# KiCad board mtk64_R_rev2.kicad_pcb (continued)
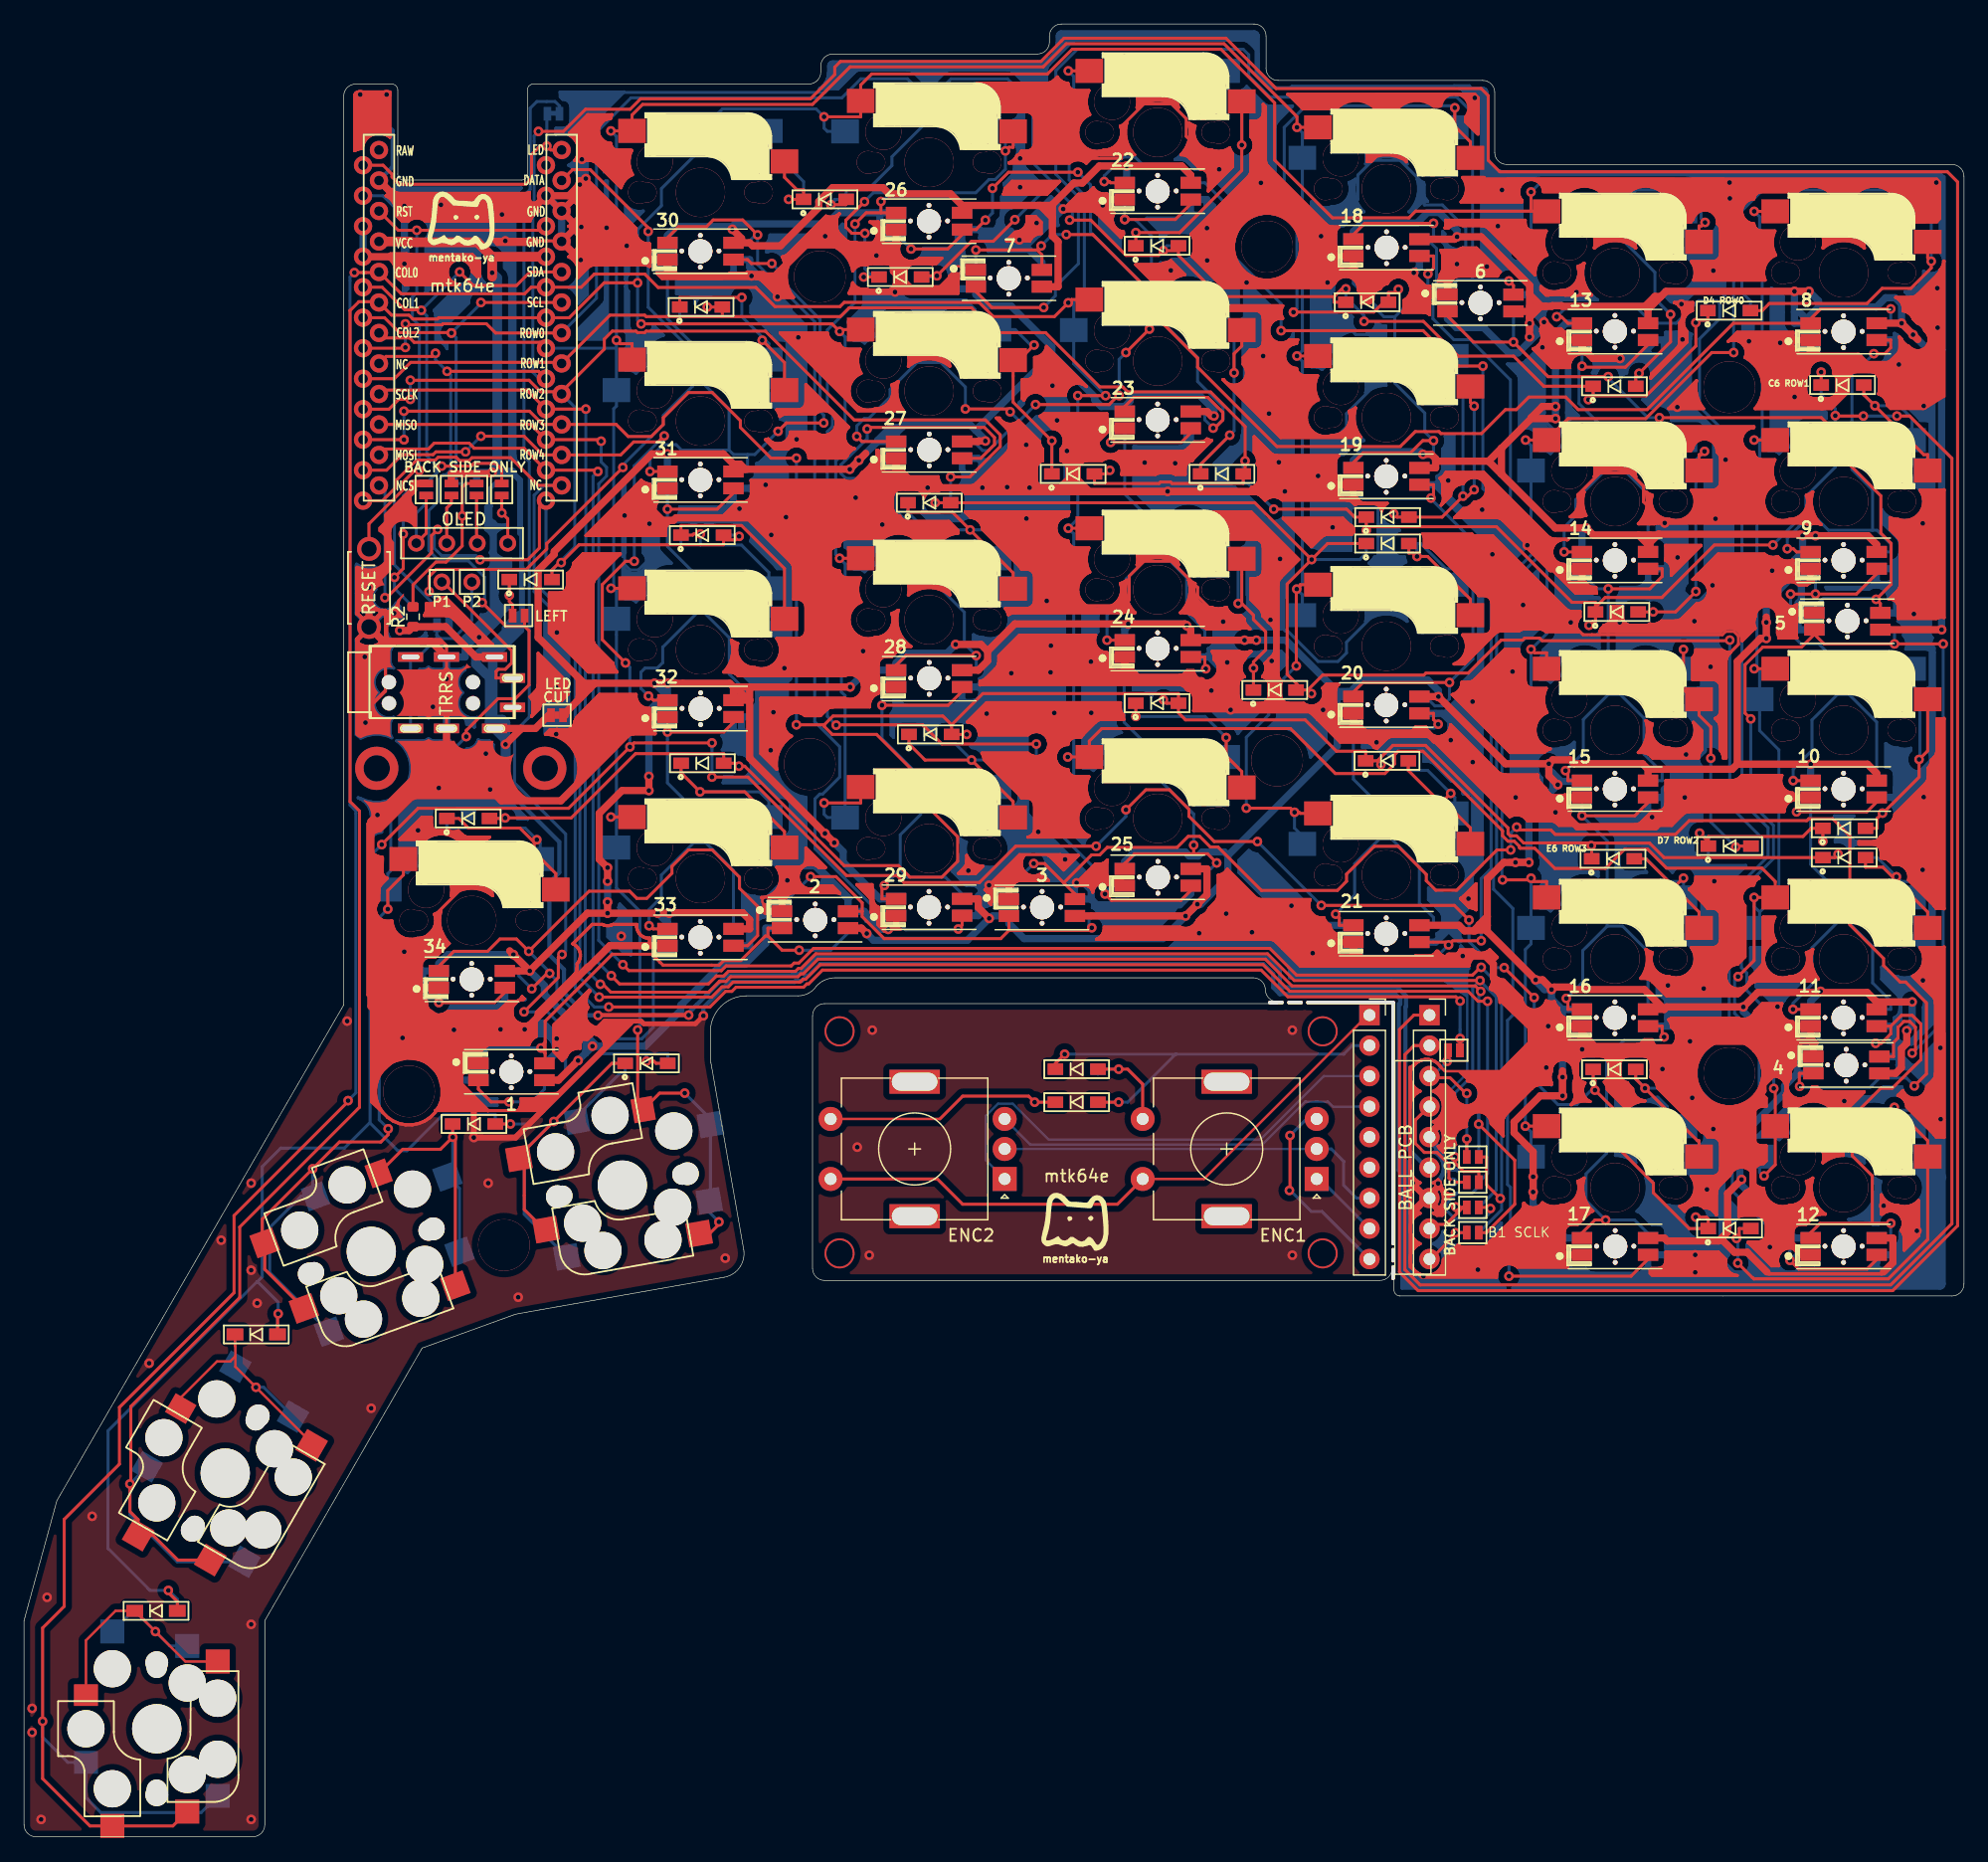
[diagram p0: board, top side]
## Routing (per net, layer and track width the routed paths; a pad name or vN(x,y) marks a point on that pad's centre or on a via; arc(x,y) is an arc through that point) (continued)
149.04,101.82 ; 149.04,101.8 149.04,101.82 ; 50.81,91.88 50.78,91.88 ; 50.81,91.88 50.78,91.88 ; 50.81,91.88 50.85,91.88 ; 50.81,91.88 50.85,91.88 ; 50.78,91.88 50.66,91.87 ; 50.78,91.88 50.66,91.87 ; 149.03,73.92 149.03,73.91 ; 149.03,73.92 149.03,73.91 ; 149.03,73.92 148.81,73.77 ; 149.03,73.92 148.81,73.77 ; 149.03,73.91 148.93,73.39 ; 149.03,73.91 148.93,73.39 ; 120.11,137.74 119.99,138.03 ; 120.11,137.74 120.18,137.43 ; 120.11,137.74 120.18,137.43 ; 120.11,137.74 119.99,138.03 ; 119.99,138.03 119.87,138.22 ; 119.99,138.03 119.87,138.22 ; 147.01,106.26 147.21,106.3 ; 147.01,106.26 147.21,106.3 ; 147.01,106.26 146.81,106.26 ; 147.01,106.26 146.81,106.26 ; 147.21,106.3 147.34,106.35 ; 147.21,106.3 147.34,106.35 ; 96.75,114 96.75,113.49 ; 96.75,114 96.76,114.13 ; 96.75,114 96.76,114.13 ; 96.75,114 96.75,113.49 ; 96.75,113.49 95.95,113.49 ; 96.75,113.49 95.95,113.49 ; 112.91,128.93 112.79,128.89 ; 112.91,128.93 112.79,128.89 ; 112.91,128.93 112.99,128.93 ; 112.91,128.93 112.99,128.93 ; 112.79,128.89 112.68,128.83 ; 112.79,128.89 112.68,128.83 ; 84.6,116.18 84.64,115.98 ; 84.6,116.18 84.64,115.98 ; 84.6,116.18 84.6,116.24 ; 84.6,116.18 84.6,116.24 ; 84.64,115.98 84.72,115.79 ; 84.64,115.98 84.72,115.79 ; 103.29,135.24 102.75,135.13 ; 103.29,135.24 102.75,135.13 ; 103.29,135.24 103.84,135.24 ; 103.29,135.24 103.84,135.24 ; 102.75,135.13 102.25,134.92 ; 102.75,135.13 102.25,134.92 ; 110.16,111.35 104.83,111.35 ; 110.16,111.35 110.2,111.35 ; 110.16,111.35 110.2,111.35 ; 110.16,111.35 104.83,111.35 ; 104.83,111.35 104.79,111.39 ; 104.83,111.35 104.79,111.39 ; 105.44,124.7 106.13,124.7 ; 105.44,124.7 105.4,124.65 ; 105.44,124.7 105.4,124.65 ; 105.44,124.7 106.13,124.7 ; 106.13,124.7 106.07,124.59 ; 106.13,124.7 106.07,124.59 ; 125.36,95.77 125.47,95.71 ; 125.36,95.77 125.47,95.71 ; 159.61,130.38 159.65,130.52 ; 159.61,130.38 159.54,130.25 ; 159.61,130.38 159.54,130.25 ; 159.61,130.38 159.65,130.52 ; 159.65,130.52 159.71,130.58 ; 159.65,130.52 159.71,130.58 ; 126.25,93.19 126.08,92.93 ; 126.25,93.19 126.47,93.41 ; 126.25,93.19 126.47,93.41 ; 126.25,93.19 126.08,92.93 ; 119.93,78.34 120.98,79.39 ; 119.93,78.34 119.91,78.31 ; 119.93,78.34 119.91,78.31 ; 119.93,78.34 120.98,79.39 ; 120.98,79.39 120.98,77.22 ; 120.98,79.39 120.98,77.22 ; 130.47,128.56 130.18,129 ; 130.47,128.56 130.18,129 ; 128.33,67.24 128.32,67.03 ; 128.33,67.24 128.48,67.4 ; 128.33,67.24 128.32,67.03 ; 128.33,67.24 128.48,67.4 ; 128.32,67.03 128.33,66.9 ; 128.32,67.03 128.33,66.9 ; 118.27,113.36 118.39,113.5 ; 118.27,113.36 118.13,113.24 ; 118.27,113.36 118.39,113.5 ; 118.27,113.36 118.13,113.24 ; 118.39,113.5 118.47,113.65 ; 118.39,113.5 118.47,113.65 ; 157.4,61.51 157.6,61.51 ; 157.4,61.51 157.2,61.55 ; 157.4,61.51 157.2,61.55 ; 157.4,61.51 157.6,61.51 ; 157.6,61.51 157.8,61.55 ; 157.6,61.51 157.8,61.55 ; 139.92,118.98 139.93,118.97 ; 139.92,118.98 139.62,119.43 ; 139.92,118.98 139.62,119.43 ; 139.92,118.98 139.93,118.97 ; 139.93,118.97 137.03,118.97 ; 139.93,118.97 137.03,118.97 ; 124.9,137.81 124.76,137.67 ; 124.9,137.81 125.07,137.93 ; 124.9,137.81 124.76,137.67 ; 124.9,137.81 125.07,137.93 ; 124.76,137.67 124.64,137.5 ; 124.76,137.67 124.64,137.5 ; 97.68,101.54 97.54,101.69 ; 97.68,101.54 97.54,101.69 ; 97.68,101.54 97.79,101.37 ; 97.68,101.54 97.79,101.37 ; 90,75.62 90,75.77 ; 90,75.62 90,75.77 ; 52.57,92.13 52.57,91.92 ; 52.57,92.13 52.58,92.17 ; 52.57,92.13 52.58,92.17 ; 52.57,92.13 52.57,91.92 ; 52.57,91.92 52.58,91.88 ; 52.57,91.92 52.58,91.88 ; 53.48,74.1 53.46,74.1 ; 53.48,74.1 53.46,74.1 ; 154.53,83.08 154.61,83.18 ; 154.53,83.08 154.43,83 ; 154.53,83.08 154.61,83.18 ; 154.53,83.08 154.43,83 ; 154.61,83.18 154.66,83.29 ; 154.61,83.18 154.66,83.29 ; 145.13,73.88 145.01,73.59 ; 145.13,73.88 145.3,74.14 ; 145.13,73.88 145.01,73.59 ; 145.13,73.88 145.3,74.14 ; 145.01,73.59 144.94,73.28 ; 145.01,73.59 144.94,73.28 ; 88.63,102.47 88.92,102.35 ; 88.63,102.47 88.37,102.64 ; 88.63,102.47 88.92,102.35 ; 88.63,102.47 88.37,102.64 ; 88.92,102.35 89.22,102.29 ; 88.92,102.35 89.22,102.29 ; 141.77,71.75 141.77,71.55 ; 141.77,71.75 141.81,71.95 ; 141.77,71.75 141.81,71.95 ; 141.77,71.75 141.77,71.55 ; 141.77,71.55 141.81,71.35 ; 141.77,71.55 141.81,71.35 ; 103.6,139.2 103.66,139.13 ; 103.6,139.2 103.66,139.13 ; 101.59,100.71 101.39,100.67 ; 101.59,100.71 101.79,100.71 ; 101.59,100.71 101.79,100.71 ; 101.59,100.71 101.39,100.67 ; 101.39,100.67 101.24,100.61 ; 101.39,100.67 101.24,100.61 ; 82.1,115.84 82.1,116.75 ; 82.1,115.84 82.1,115.81 ; 82.1,115.84 82.1,115.81 ; 82.1,115.84 82.1,116.75 ; 82.1,116.75 82.1,116.78 ; 82.1,116.75 82.1,116.78 ; 92.72,145.07 92.93,145.16 ; 92.72,145.07 92.93,145.16 ; 92.72,145.07 92.78,144.73 ; 92.72,145.07 92.78,144.73 ; 92.93,145.16 93.28,145.4 ; 92.93,145.16 93.28,145.4 ; 141.06,131.33 141.16,131.4 ; 141.06,131.33 141.16,131.4 ; 141.06,131.33 140.95,131.27 ; 141.06,131.33 140.95,131.27 ; 141.16,131.4 141.24,131.5 ; 141.16,131.4 141.24,131.5 ; 30.61,76.28 30.65,76.29 ; 30.61,76.28 30.41,76.24 ; 30.61,76.28 30.65,76.29 ; 30.61,76.28 30.41,76.24 ; 30.65,76.29 30.65,76.17 ; 30.65,76.29 30.65,76.17 ; 48.16,66.51 48.02,66.66 ; 48.16,66.51 48.28,66.34 ; 48.16,66.51 48.28,66.34 ; 48.16,66.51 48.02,66.66 ; 48.02,66.66 47.85,66.77 ; 48.02,66.66 47.85,66.77 ; 145.66,133.03 145.66,132.61 ; 145.66,133.03 145.66,132.61 ; 145.66,132.61 145.75,132.19 ; 145.66,132.61 145.75,132.19 ; 112.42,90.85 112.33,90.97 ; 112.42,90.85 112.33,90.97 ; 76.94,104.56 77.15,104.47 ; 76.94,104.56 76.59,104.8 ; 76.94,104.56 76.59,104.8 ; 76.94,104.56 77.15,104.47 ; 77.15,104.47 77.09,104.13 ; 77.15,104.47 77.09,104.13 ; 117.98,113.16 118.13,113.24 ; 117.98,113.16 118.07,113.05 ; 117.98,113.16 118.07,113.05 ; 117.98,113.16 118.13,113.24 ; 58.94,99.66 58.94,99.67 ; 58.94,99.66 58.94,99.67 ; 53.48,112.18 53.48,112.2 ; 53.48,112.18 53.74,112.18 ; 53.48,112.18 53.74,112.18 ; 53.48,112.18 53.48,112.2 ; 53.48,112.2 52.28,112.2 ; 53.48,112.2 52.28,112.2 ; 118.44,134.65 125.07,134.65 ; 118.44,134.65 118.47,134.5 ; 118.44,134.65 118.47,134.5 ; 118.44,134.65 125.07,134.65 ; 125.07,134.65 125.07,134.4 ; 125.07,134.65 125.07,134.4 ; 142.8,70.06 136.91,70.06 ; 142.8,70.06 142.9,70.1 ; 142.8,70.06 142.9,70.1 ; 142.8,70.06 136.91,70.06 ; 136.91,70.06 136.86,70.07 ; 136.91,70.06 136.86,70.07 ; 151.56,60.01 151.56,59.97 ; 151.56,60.01 151.56,59.97 ; 151.56,60.01 151.57,60.12 ; 151.56,60.01 151.57,60.12 ; 151.56,59.97 151.56,59.93 ; 151.56,59.97 151.56,59.93 ; 83.91,83.37 84.01,83.45 ; 83.91,83.37 84.01,83.45 ; 84.01,83.45 84.09,83.55 ; 84.01,83.45 84.09,83.55 ; 148.06,71.97 148.26,72.18 ; 148.06,71.97 147.81,71.81 ; 148.06,71.97 147.81,71.81 ; 148.06,71.97 148.26,72.18 ; 148.26,72.18 148.43,72.42 ; 148.26,72.18 148.43,72.42 ; 134.09,137.25 134.48,137.41 ; 134.09,137.25 134.48,137.41 ; 62.19,97.47 62.45,97.64 ; 62.19,97.47 62.45,97.64 ; 62.19,97.47 61.9,97.35 ; 62.19,97.47 61.9,97.35 ; 62.45,97.64 62.67,97.87 ; 62.45,97.64 62.67,97.87 ; 115.97,130.48 115.99,130.54 ; 115.97,130.48 115.99,130.54 ; 148.1,109.44 148.06,109.44 ; 148.1,109.44 148.24,109.43 ; 148.1,109.44 148.06,109.44 ; 148.1,109.44 148.24,109.43 ; 145.75,76.29 145.66,75.88 ; 145.75,76.29 145.66,75.88 ; 104.21,98.91 104.21,98.88 ; 104.21,98.91 104.21,98.88 ; 45.31,95.15 44.8,94.64 ; 45.31,95.15 44.8,94.64 ; 45.31,95.15 45.31,96.1 ; 45.31,95.15 45.31,96.1 ; 44.8,94.64 44.59,94.64 ; 44.8,94.64 44.59,94.64 ; 148.99,48.33 148.73,48.33 ; 148.99,48.33 148.73,48.33 ; 158.81,89.25 158.89,89.44 ; 158.81,89.25 158.89,89.44 ; 158.81,89.25 158.7,89.08 ; 158.81,89.25 158.7,89.08 ; 158.89,89.44 158.93,89.64 ; 158.89,89.44 158.93,89.64 ; 140.71,52.16 140.6,52.25 ; 140.71,52.16 140.74,52.13 ; 140.71,52.16 140.74,52.13 ; 140.71,52.16 140.6,52.25 ; 140.6,52.25 140.46,52.32 ; 140.6,52.25 140.46,52.32 ; 156.34,127.93 156.2,128.08 ; 156.34,127.93 156.45,127.76 ; 156.34,127.93 156.2,128.08 ; 156.34,127.93 156.45,127.76 ; 156.2,128.08 156.03,128.19 ; 156.2,128.08 156.03,128.19 ; 96.98,139.96 96.81,140.04 ; 96.98,139.96 96.81,140.04 ; 96.98,139.96 97.12,139.84 ; 96.98,139.96 97.12,139.84 ; 100.66,140.26 100.7,140.21 ; 100.66,140.26 100.7,140.21 ; 80.2,94.47 91.35,94.47 ; 80.2,94.47 78.59,92.86 ; 80.2,94.47 91.35,94.47 ; 80.2,94.47 78.59,92.86 ; 128.48,48.6 128.33,48.76 ; 128.48,48.6 128.33,48.76 ; 62.96,98.41 63.02,98.72 ; 62.96,98.41 62.84,98.12 ; 62.96,98.41 62.84,98.12 ; 62.96,98.41 63.02,98.72 ; 63.02,98.72 63.02,99.03 ; 63.02,98.72 63.02,99.03 ; 137.19,67.82 137.12,67.95 ; 137.19,67.82 137.12,67.95 ; 83.09,80.97 83.13,80.77 ; 83.09,80.97 83.09,81.17 ; 83.09,80.97 83.09,81.17 ; 83.09,80.97 83.13,80.77 ; 83.13,80.77 83.21,80.58 ; 83.13,80.77 83.21,80.58 ; 77.98,130.39 79.18,130.39 ; 77.98,130.39 79.18,130.39 ; 82.1,115.77 82.1,115.81 ; 82.1,115.77 82.08,115.66 ; 82.1,115.77 82.1,115.81 ; 82.1,115.77 82.08,115.66 ; 128.43,47.62 128.37,47.73 ; 128.43,47.62 128.37,47.73 ; 72.95,113.69 72.97,113.69 ; 72.95,113.69 72.79,113.85 ; 72.95,113.69 72.97,113.69 ; 72.95,113.69 72.79,113.85 ; 72.97,113.69 73.03,113.59 ; 72.97,113.69 73.03,113.59 ; 84.53,114.45 84.45,114.36 ; 84.53,114.45 84.45,114.36 ; 84.45,114.36 84.4,114.24 ; 84.45,114.36 84.4,114.24 ; 118.18,131.82 118.14,131.97 ; 118.18,131.82 118.14,131.97 ; 118.18,131.82 118.2,131.68 ; 118.18,131.82 118.2,131.68 ; 118.14,131.97 118.07,132.1 ; 118.14,131.97 118.07,132.1 ; 144.5,102.27 144.38,102.12 ; 144.5,102.27 144.38,102.12 ; 98.99,98.74 101.24,98.74 ; 98.99,98.74 99.02,98.7 ; 98.99,98.74 99.02,98.7 ; 98.99,98.74 101.24,98.74 ; 101.24,98.74 101.39,98.68 ; 101.24,98.74 101.39,98.68 ; 53.74,131.25 53.74,130.4 ; 53.74,131.25 53.76,131.25 ; 53.74,131.25 53.76,131.25 ; 53.74,131.25 53.74,130.4 ; 53.74,130.4 53.9,130.24 ; 53.74,130.4 53.9,130.24 ; 88.25,91.83 88.22,91.81 ; 88.25,91.83 89.24,92.82 ; 88.25,91.83 88.22,91.81 ; 88.25,91.83 89.24,92.82 ; 151.35,132.96 150.83,132.86 ; 151.35,132.96 150.83,132.86 ; 151.35,132.96 151.87,132.96 ; 151.35,132.96 151.87,132.96 ; 29.57,138.14 29.59,138.16 ; 29.57,138.14 29.59,138.16 ; 63.31,77.22 63.29,77.22 ; 63.31,77.22 63.29,77.22 ; 30.24,131.65 30.46,131.8 ; 30.24,131.65 30.16,131.62 ; 30.24,131.65 30.46,131.8 ; 30.24,131.65 30.16,131.62 ; 30.46,131.8 30.51,131.85 ; 30.46,131.8 30.51,131.85 ; 155.02,81.51 154.97,81.52 ; 155.02,81.51 154.97,81.52 ; 35.25,74.27 34.25,73.26 ; 35.25,74.27 35.27,74.3 ; 35.25,74.27 35.27,74.3 ; 35.25,74.27 34.25,73.26 ; 34.25,73.26 33.71,73.26 ; 34.25,73.26 33.71,73.26 ; 28.25,134.33 28.23,134.35 ; 28.25,134.33 28.23,134.35 ; 69.1,121.44 68.93,121.18 ; 69.1,121.44 68.93,121.18 ; 69.1,121.44 69.32,121.66 ; 69.1,121.44 69.32,121.66 ; 68.93,121.18 68.81,120.89 ; 68.93,121.18 68.81,120.89 ; 122.33,71.94 122.36,72.02 ; 122.33,71.94 122.36,72.02 ; 122.33,71.94 122.23,71.8 ; 122.33,71.94 122.23,71.8 ; 122.36,72.02 122.41,71.91 ; 122.36,72.02 122.41,71.91 ; 62.72,116.04 62.93,116.04 ; 62.72,116.04 62.52,116.08 ; 62.72,116.04 62.93,116.04 ; 62.72,116.04 62.52,116.08 ; 62.93,116.04 63.13,116.08 ; 62.93,116.04 63.13,116.08 ; 146.77,85.86 146.69,85.67 ; 146.77,85.86 146.69,85.67 ; 146.77,85.86 146.88,86.03 ; 146.77,85.86 146.88,86.03 ; 146.69,85.67 146.65,85.47 ; 146.69,85.67 146.65,85.47 ; 50.52,91.82 50.38,91.82 ; 50.52,91.82 50.38,91.82 ; 50.52,91.82 50.52,91.82 ; 50.52,91.82 50.52,91.82 ; 50.38,91.82 50.18,91.78 ; 50.38,91.82 50.18,91.78 ; 28.09,97.56 28.23,97.56 28.23,93.53 30.11,95.42 30.11,102.18 ; 74.23,123.85 73.88,123.61 ; 74.23,123.85 73.88,123.61 ; 115.8,49.01 115.64,48.79 ; 115.8,49.01 115.99,49.21 ; 115.8,49.01 115.99,49.21 ; 115.8,49.01 115.64,48.79 ; 115.64,48.79 115.54,48.53 ; 115.64,48.79 115.54,48.53 ; 147.15,63.18 147.14,63.17 ; 147.15,63.18 147.15,63.55 ; 147.15,63.18 147.14,63.17 ; 147.15,63.18 147.15,63.55 ; 147.14,63.17 147.03,63 ; 147.14,63.17 147.03,63 ; 96.19,144.05 96.17,144.06 ; 96.19,144.05 96.17,144.06 ; 96.19,144.05 96.14,144.31 ; 96.19,144.05 96.14,144.31 ; 96.17,144.06 95.73,144.36 ; 96.17,144.06 95.73,144.36 ; 134.3,114.32 134.24,113.98 ; 134.3,114.32 134.24,113.98 ; 134.3,114.32 134.09,114.41 ; 134.3,114.32 134.09,114.41 ; 83.98,120.3 83.79,120.22 ; 83.98,120.3 83.79,120.22 ; 83.98,120.3 84.18,120.34 ; 83.98,120.3 84.18,120.34 ; 83.79,120.22 83.62,120.11 ; 83.79,120.22 83.62,120.11 ; 91.88,103.09 92.08,102.6 ; 91.88,103.09 91.78,103.61 ; 91.88,103.09 91.78,103.61 ; 91.88,103.09 92.08,102.6 ; 92.08,102.6 92.37,102.16 ; 92.08,102.6 92.37,102.16 ; 97.53,116.19 98.06,116.19 ; 97.53,116.19 96.98,115.64 ; 97.53,116.19 96.98,115.64 ; 97.53,116.19 98.06,116.19 ; 98.06,116.19 98.18,116.2 ; 98.06,116.19 98.18,116.2 ; 144.52,57.61 144.64,57.57 ; 144.52,57.61 144.41,57.66 ; 144.52,57.61 144.41,57.66 ; 144.52,57.61 144.64,57.57 ; 144.64,57.57 144.76,57.56 ; 144.64,57.57 144.76,57.56 ; 156.05,123.47 156.08,123.5 ; 156.05,123.47 155.6,123.03 ; 156.05,123.47 156.08,123.5 ; 156.05,123.47 155.6,123.03 ; 156.08,123.5 156.17,123.61 ; 156.08,123.5 156.17,123.61 ; 101.25,94.7 101.33,94.6 ; 101.25,94.7 101.2,94.81 ; 101.25,94.7 101.33,94.6 ; 101.25,94.7 101.2,94.81 ; 101.33,94.6 101.43,94.52 ; 101.33,94.6 101.43,94.52 ; 116.09,52.25 116.16,52.01 ; 116.09,52.25 116.16,52.01 ; 116.09,52.25 116.87,53.03 ; 116.09,52.25 116.87,53.03 ; 116.16,52.01 116.32,51.94 ; 116.16,52.01 116.32,51.94 ; 60.55,111.58 60.59,111.7 ; 60.55,111.58 60.59,111.7 ; 60.55,111.58 60.49,111.47 ; 60.55,111.58 60.49,111.47 ; 60.59,111.7 60.6,111.83 ; 60.59,111.7 60.6,111.83 ; 64.86,80.87 64.96,80.95 ; 64.86,80.87 64.96,80.95 ; 64.86,80.87 64.75,80.82 ; 64.86,80.87 64.75,80.82 ; 64.96,80.95 65.04,81.05 ; 64.96,80.95 65.04,81.05 ; 138.3,125.82 138.38,125.63 ; 138.3,125.82 138.26,126.02 ; 138.3,125.82 138.38,125.63 ; 138.3,125.82 138.26,126.02 ; 138.38,125.63 138.49,125.46 ; 138.38,125.63 138.49,125.46 ; 42.59,95.39 42.62,95.41 ; 42.59,95.39 42.16,94.96 ; 42.59,95.39 42.62,95.41 ; 42.59,95.39 42.16,94.96 ; 42.62,95.41 42.71,95.52 ; 42.62,95.41 42.71,95.52 ; 147.38,50.5 147.37,50.38 ; 147.38,50.5 147.42,50.62 ; 147.38,50.5 147.37,50.38 ; 147.38,50.5 147.42,50.62 ; 147.37,50.38 147.37,49.38 ; 147.37,50.38 147.37,49.38 ; 110.2,111.35 110.23,111.35 ; 110.2,111.35 110.23,111.35 ; 124.9,98.11 125.07,97.99 ; 124.9,98.11 125.07,97.99 ; 124.9,98.11 124.76,98.25 ; 124.9,98.11 124.76,98.25 ; 125.07,97.99 125.07,97.99 ; 125.07,97.99 125.07,97.99 ; 145.01,110.76 144.94,111.07 ; 145.01,110.76 144.94,111.07 ; 128.37,64.72 128.19,64.74 ; 128.37,64.72 128.54,64.67 ; 128.37,64.72 128.19,64.74 ; 128.37,64.72 128.54,64.67 ; 128.19,64.74 128,64.72 ; 128.19,64.74 128,64.72 ; 88.15,104.89 87.98,104.63 ; 88.15,104.89 88.37,105.11 ; 88.15,104.89 87.98,104.63 ; 88.15,104.89 88.37,105.11 ; 87.98,104.63 87.86,104.34 ; 87.98,104.63 87.86,104.34 ; 147.38,49.25 147.41,49.18 ; 147.38,49.25 147.41,49.18 ; 147.38,49.25 147.37,49.38 ; 147.38,49.25 147.37,49.38 ; 147.41,49.18 147.38,49.1 ; 147.41,49.18 147.38,49.1 ; 31.26,59.41 31.8,59.31 ; 31.26,59.41 30.76,59.62 ; 31.26,59.41 30.76,59.62 ; 31.26,59.41 31.8,59.31 ; 31.8,59.31 32.35,59.31 ; 31.8,59.31 32.35,59.31 ; 121.36,134.21 119.85,134.21 ; 121.36,134.21 119.85,134.21 ; 121.36,134.21 121.4,134.22 ; 121.36,134.21 121.4,134.22 ; 119.85,134.21 119.7,134.27 ; 119.85,134.21 119.7,134.27 ; 146.02,106.61 145.82,106.57 ; 146.02,106.61 145.82,106.57 ; 137.93,124.38 137.94,124.49 ; 137.93,124.38 137.89,124.23 ; 137.93,124.38 137.94,124.49 ; 137.93,124.38 137.89,124.23 ; 137.94,124.49 137.95,124.52 ; 137.94,124.49 137.95,124.52 ; 52.16,132.08 52.13,132 ; 52.16,132.08 52.13,132 ; 52.16,132.08 52.13,132.15 ; 52.16,132.08 52.13,132.15 ; 52.13,132 52.12,131.88 ; 52.13,132 52.12,131.88 ; 86.8,120.35 86.76,120.15 ; 86.8,120.35 86.76,120.15 ; 71.17,133.38 71.18,133.25 ; 71.17,133.38 71.18,133.59 ; 71.17,133.38 71.07,133.38 ; 71.17,133.38 71.07,133.38 ; 71.17,133.38 71.07,133.38 ; 71.17,133.38 71.18,133.59 ; 71.17,133.38 71.07,133.38 ; 71.17,133.38 71.18,133.25 ; 71.18,133.25 71.22,133.13 ; 71.18,133.25 71.22,133.13 ; 117.65,54.17 116.87,53.39 ; 117.65,54.17 116.87,53.39 ; 140.77,61.13 141.27,60.92 ; 140.77,61.13 141.27,60.92 ; 140.77,61.13 140.31,61.44 ; 140.77,61.13 140.31,61.44 ; 141.27,60.92 141.81,60.82 ; 141.27,60.92 141.81,60.82 ; 109.28,93.86 109.43,93.7 ; 109.28,93.86 109.27,94.08 ; 109.28,93.86 109.27,94.08 ; 109.28,93.86 109.43,93.7 ; 134.09,61.05 133.74,60.81 ; 134.09,61.05 134.48,61.21 ; 134.09,61.05 133.74,60.81 ; 134.09,61.05 134.48,61.21 ; 53.74,93.15 53.74,93.13 ; 53.74,93.15 53.76,93.15 ; 53.74,93.15 53.76,93.15 ; 53.74,93.15 53.74,93.13 ; 53.74,93.13 53.48,93.13 ; 53.74,93.13 53.48,93.13 ; 83.35,81.75 83.32,81.73 ; 83.35,81.75 83.32,81.73 ; 28.74,100.96 29.7,101.92 ; 28.74,100.96 27.79,101.92 ; 28.74,100.96 27.79,101.92 ; 28.74,100.96 29.7,101.92 ; 29.7,101.92 29.61,102.18 ; 29.7,101.92 29.61,102.18 ; 156.9,124.21 157.04,124.15 ; 156.9,124.21 156.73,124.32 ; 156.9,124.21 156.73,124.32 ; 156.9,124.21 157.04,124.15 ; 157.04,124.15 157.16,124.03 ; 157.04,124.15 157.16,124.03 ; 139.04,91.42 139.16,91.71 ; 139.04,91.42 139.16,91.71 ; 143.21,55.79 143,55.79 ; 143.21,55.79 143,55.79 ; 143,55.79 142.8,55.75 ; 143,55.79 142.8,55.75 ; 72.55,112.05 72.47,111.96 ; 72.55,112.05 72.65,112.13 ; 72.55,112.05 72.65,112.13 ; 72.55,112.05 72.47,111.96 ; 72.47,111.96 72.42,111.84 ; 72.47,111.96 72.42,111.84 ; 88.75,83.37 88.67,83.32 ; 88.75,83.37 88.63,83.42 ; 88.75,83.37 88.63,83.42 ; 88.75,83.37 88.67,83.32 ; 88.67,83.32 88.62,83.27 ; 88.67,83.32 88.62,83.27 ; 125.46,138.04 125.26,138 ; 125.46,138.04 125.66,138.04 ; 125.46,138.04 125.66,138.04 ; 125.46,138.04 125.26,138 ; 125.26,138 125.07,137.93 ; 125.26,138 125.07,137.93 ; 66.14,116.85 66.33,116.77 ; 66.14,116.85 66.33,116.77 ; 66.14,116.85 65.97,116.96 ; 66.14,116.85 65.97,116.96 ; 66.33,116.77 66.53,116.73 ; 66.33,116.77 66.53,116.73 ; 53.48,131.25 52.28,131.25 ; 53.48,131.25 53.48,130.4 ; 53.48,131.25 53.48,130.4 ; 53.48,131.25 52.28,131.25 ; 33.38,134.63 33.21,134.74 ; 33.38,134.63 33.21,134.74 ; 33.38,134.63 33.43,134.58 ; 33.38,134.63 33.43,134.58 ; 137.99,126.15 138.1,126.32 ; 137.99,126.15 137.94,126.11 ; 137.99,126.15 137.94,126.11 ; 137.99,126.15 138.1,126.32 ; 138.1,126.32 138.18,126.51 ; 138.1,126.32 138.18,126.51 ; 105.26,124.01 105.14,123.84 ; 105.26,124.01 105.14,123.84 ; 105.26,124.01 105.4,124.15 ; 105.26,124.01 105.4,124.15 ; 105.14,123.84 105.06,123.65 ; 105.14,123.84 105.06,123.65 ; 117.53,59.6 117.75,59.75 ; 117.53,59.6 117.75,59.75 ; 117.53,59.6 117.42,59.56 ; 117.53,59.6 117.42,59.56 ; 117.75,59.75 117.95,59.95 ; 117.75,59.75 117.95,59.95 ; 68.44,104.87 68.32,104.91 ; 68.44,104.87 68.32,104.91 ; 148.5,121.64 148.46,121.53 ; 148.5,121.64 148.46,121.53 ; 148.46,121.53 148.45,121.4 ; 148.46,121.53 148.45,121.4 ; 104.61,104.78 104.54,104.65 ; 104.61,104.78 104.54,104.65 ; 104.61,104.78 104.68,104.87 ; 104.61,104.78 104.68,104.87 ; 104.54,104.65 104.51,104.56 ; 104.54,104.65 104.51,104.56 ; 66.82,135 66.92,134.96 ; 66.82,135 66.92,134.96 ; 66.82,135 63.72,131.89 ; 66.82,135 63.72,131.89 ; 66.92,134.96 67.12,134.92 ; 66.92,134.96 67.12,134.92 ; 73.55,129.21 73.6,129.1 ; 73.55,129.21 73.6,129.1 ; 73.55,129.21 73.51,129.33 ; 73.55,129.21 73.51,129.33 ; 73.6,129.1 73.68,129 ; 73.6,129.1 73.68,129 ; 117.27,128.33 117.11,128.17 ; 117.27,128.33 117.11,128.17 ; 117.27,128.33 118.47,128.33 ; 117.27,128.33 118.47,128.33 ; 117.11,128.17 117.11,127.96 ; 117.11,128.17 117.11,127.96 ; 77.09,123.18 77.09,122.76 ; 77.09,123.18 77.09,122.76 ; 77.09,122.76 77.14,122.5 ; 77.09,122.76 77.14,122.5 ; 30.54,137.18 30.64,137.21 ; 30.54,137.18 29.75,137.97 ; 30.54,137.18 29.75,137.97 ; 30.54,137.18 30.64,137.21 ; 30.64,137.21 30.71,137.14 ; 30.64,137.21 30.71,137.14 ; 88.6,145.14 88.73,145.46 ; 88.6,145.14 88.73,145.46 ; 91.78,104.14 91.78,103.61 ; 91.78,104.14 91.88,104.66 ; 91.78,104.14 91.78,103.61 ; 91.78,104.14 91.88,104.66 ; 145.52,71.89 145.78,71.72 ; 145.52,71.89 145.78,71.72 ; 144.31,57.74 144.41,57.66 ; 144.31,57.74 144.41,57.66 ; 144.31,57.74 144.23,57.84 ; 144.31,57.74 144.23,57.84 ; 47.37,94.57 47.74,94.93 ; 47.37,94.57 47.74,94.93 ; 47.37,94.57 47.34,94.53 ; 47.37,94.57 47.34,94.53 ; 47.74,94.93 47.77,94.96 ; 47.74,94.93 47.77,94.96 ; 143.86,65.76 143.4,66.07 ; 143.86,65.76 144.13,65.49 ; 143.86,65.76 144.13,65.49 